# Altium PCB LimeSDR_1v2s.PcbDoc (part 5 of 9) (continued)
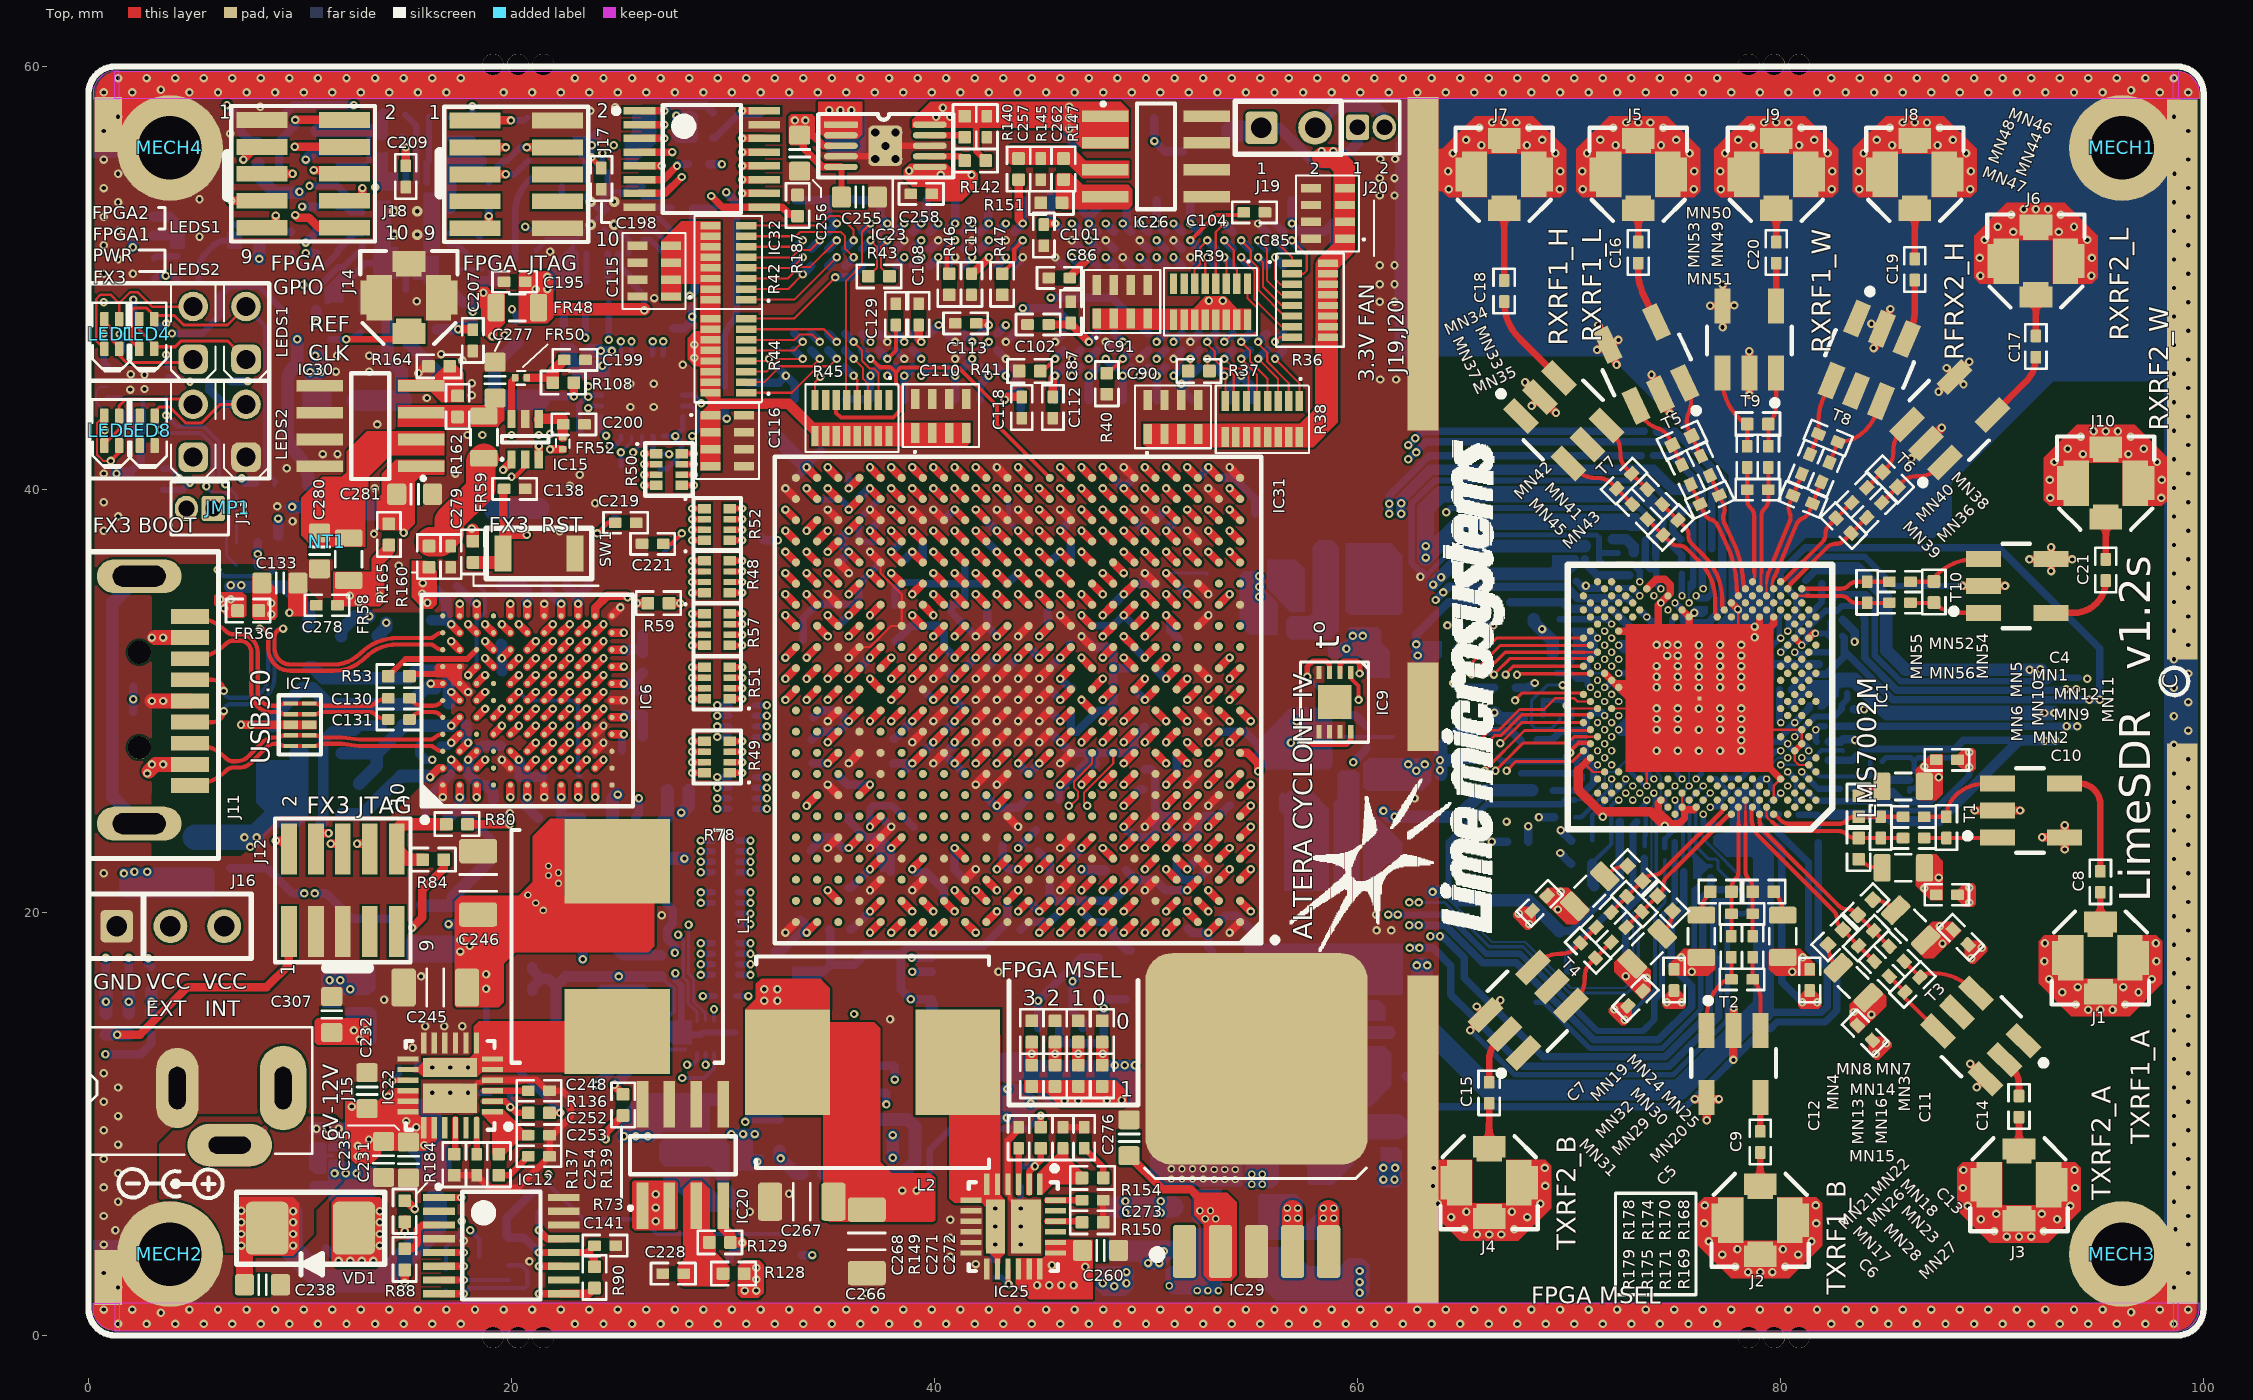
[diagram p0: Top view]
## Nets (pads, with @x,y where several pads share a name; then routed paths per layer and width w, separated by ;. In a path a pad name is that pad's centre, name@x,y a point inside that pad or via, vN(x,y) a via of type N, cw(c..) or ccw(c..) an arc to the next point about the centre after c; other vN are vias at no path point) (continued)
  Top w0.45: 70.426,26.723 70.426,25.819 71.476,24.769 71.6,24.769 73.875,24.769
  Top w0.7: v1(3,30) J11.7@4.8,30 ; v1@3.15,33 J11.4@4.75,33
  Bottom w0.11: C35.2@70.876,31.599 70.924,31.599 71.211,31.311 71.653,31.311 C31.2@71.653,31.342
  Bottom w0.13: C53.2@76.351,23.614 76.351,23.461 78.523,21.289 78.523,20.227 C45.2@78.24,19.944
  Bottom w0.15: C25.2@69.571,29.219 69.571,29.114 69.151,28.694 68.407,28.694 68.226,28.875 68.226,29.989 68.221,29.994 68.221,30.006 68.965,30.75 v1(69.7,30.75)
  Bottom w0.17: v1(72.64,14.927) 72.64,14.939 74.065,16.364 74.065,19.989 74.531,20.455 C56.2@74.531,22.496
  Bottom w0.2: IC19.D2@11.138,8.513 IC19.C2@11.538,8.513 ; R116.2@11.775,55.35 13.075,55.35 13.25,55.525 13.25,56.95 ; C140.2@59.325,28.275 59.325,28.3 61.675,28.3 ; C43.2@72.846,26.769 72.846,26.699 73.564,25.98 v4(73.679,25.98) ; C51.2@76.956,26.814 76.956,27.463 v1(77.141,27.648) ; 78.651,32.544 C78.2@78.971,32.544 ; 78.971,32.224 C78.2@78.971,32.544 ; 78.971,32.864 C78.2@78.971,32.544
  Bottom w0.25: 21.175,51.313 21.675,51.813 IC13.7@22.375,51.813 23.05,51.813 IC13.25@24.3,53.063 24.496,53.259 24.514,53.277 24.375,53.277 24.375,53.809 24.653,54.088 25.186,54.088 25.186,53.948 25.55,54.313 IC13.19@26.225,54.313 ; IC13.25@24.375,52.316 24.653,52.038 25.186,52.038 25.186,52.177 25.55,51.813 IC13.1@25.55,51.138 ; IC13.22@26.225,52.813 27,52.813 27.55,52.263 ; 63.251,35.924 65.177,37.85 71.29,37.85 C74.2@71.421,37.719 ; v1(65.334,14.431) 67.44,12.325 74.911,12.325 77.481,14.895 77.481,19.881 C44.2@77.544,19.944 C45.2@78.24,19.944 ; 68.45,15.756 68.817,15.756 70.998,13.575 74.393,13.575 76.231,15.413 76.231,17.375 75.925,17.681 75.925,21.07 C46.2@76.05,21.195 ; C50.2@84.806,27.144 84.987,27.325 86.15,27.325 86.325,27.15 ; C52.2@86.094,25.719 86.094,25.847 86.305,25.847 86.519,26.061 86.519,26.51 86.325,26.704 86.325,27.15 ; v1(88.93,27.572) 88.68,27.322 86.497,27.322 86.325,27.15
  Bottom w0.29: v1(64.2,38.925) 64.395,39.12 73.351,39.12 74.021,38.45 74.021,38.08 74.026,38.075 74.026,37.544 74.101,37.469
  Bottom w0.3: 11.3,48.9 11.3,49.057 11.325,49.082 11.325,49.35 11.45,49.475 11.875,49.475 13.1,50.7 IC16.10@14,50.7 ; IC13.12@22.375,54.313 IC13.11@22.375,53.813 IC13.25@23.55,53.813 ; v6(23.75,53.613) IC13.25@24.3,53.063 ; R74.1@23.9,13.275 24.11,13.485 24.11,16.254 24.306,16.45 26.25,16.45 C229.1@27.125,15.575 ; IC13.25@24.496,53.259 24.35,53.259 24.35,53.82 24.55,54.02 IC13.16@24.55,54.988 ; 27.55,52.213 R98.1@28.55,51.213 ; C330.2@37.45,37.525 36.425,37.525 C282.2@36.425,38.575 37.4,39.55 C364.2@37.45,39.55 ; 63.233,35.942 63.047,36.128 62.952,36.128 62.572,36.509 62.572,39.341 63.656,40.425 73.77,40.425 75.295,38.9 75.321,38.9 ; 67.74,26.589 69.101,26.589 C39.2@69.876,26.589 70.28,26.589 70.376,26.685 ; C28.2@70.044,28.031 C29.2@70.756,28.031 ; C34.2@70.101,31.874 70.101,32.144 70.459,32.501 70.876,32.501 ; C23.2@70.201,33.314 71.008,33.314 v4(71.348,32.973) 70.876,32.501 ; C33.2@70.596,26.294 70.596,26.465 70.376,26.685 ; C29.2@70.801,28.031 70.801,27.499 70.666,27.364 70.547,27.364 70.376,27.192 70.376,26.685 ; C35.2@70.876,31.599 70.876,32.501 ; C74.2@71.421,37.719 71.421,36.654 C76.2@71.526,36.549 ; 71.561,36.999 C73.2@72.301,36.999 ; C36.2@72.851,30.739 74.051,30.739 v1(74.141,30.648) ; C26.2@72.851,31.839 73.951,31.839 v1(74.141,31.648) ; v1(74.141,29.648) 74.301,29.808 74.301,30.094 74.731,30.094 ; 74.871,33.249 C70.2@74.871,33.844 ; C64.2@75.321,38.419 75.321,38.9 ; C69.2@75.733,39.207 75.426,38.9 75.321,38.9 ; v2(75.926,34.169) 76.231,34.169 C63.2@76.376,34.314 ; v1(78.141,27.648) 78.576,27.648 C59.2@78.821,27.894 ; C71.2@80.451,35.749 80.451,35.919 81.357,36.825 83.975,36.825 85.362,35.438 v1(88.594,35.438) ; C61.2@81.149,25.836 81.697,25.289 82.546,25.289 82.573,25.262 85.092,25.262 85.535,24.819 87.251,24.819 88.93,26.498 v1(88.93,26.872) ; C67.2@82.506,34.869 82.686,35.049 84.06,35.049 84.455,34.654 84.455,32.153 85.676,30.931 92.625,30.931 92.794,31.1 94.1,31.1
  Bottom w0.309: v6(16.25,11.475) v6(17.1,11.475) R138.1@18.975,11.475 ; v6(44.075,4.3) v6(44.075,5.15) v6(44.075,6) R153.2@44.075,7.025 ; v1(74.141,27.648) 74.141,27.199 C57.2@74.546,26.794
  Bottom w0.35: C295.1@38.15,34.525 38.15,35.3 C283.2@38.45,35.6 39.375,35.6 C355.2@39.425,35.55 41.425,35.55 ; C284.2@41.45,36.55 41.425,36.525 41.425,35.55 ; v1(41.95,33.05) 40.8,34.2 C296.1@40.8,34.225 40.8,34.5 40.875,34.575 41.147,34.575 41.425,34.853 41.425,35.55 ; C286.2@42.425,35.525 42.4,35.55 41.425,35.55 ; C243.1@62.25,12.275 63.7,10.825 75.532,10.825 79.207,14.499 79.509,14.499 79.834,14.824 82.113,14.824 82.655,15.366 82.655,17.582 81.775,18.462 81.775,23.305 C65.2@81.771,23.309 ; 69.936,17.243 69.936,18.086 73.025,21.175 73.025,24.113 C40.2@73.201,24.289 ; C77.2@70.349,35.671 70.681,35.339 C75.2@71.451,35.339 ; C60.2@74.101,36.799 74.101,37.469 ; v4(74.345,34.638) 74.795,35.088 C66.2@74.795,35.369 ; C42.2@79.125,24.064 79.126,23.908 80.05,22.984 80.05,16.729 v1(81.03,15.749)
  Bottom w0.4: C220.1@9.55,52.175 C220.1@9.6,52.175 ; R86.1@15.646,27.875 15.646,27.504 15.925,27.225 v2(16.25,27.225) ; C185.1@22.475,47.788 C197.1@22.475,48.813 ; IC5.J3@37.375,47.375 v1(37.775,46.975) ; C384.2@37.475,24.475 37.525,24.475 v2(37.95,24.05) ; IC5.H2@38.175,46.575 v1(38.575,46.175) ; IC5.H8@38.175,51.375 v1(38.575,51.775) ; IC5.F8@39.775,51.375 v1(40.175,51.775) ; IC5.E3@40.575,47.375 v1(40.975,46.975) ; IC5.E7@40.575,50.575 v1(40.975,50.975) ; v1(40.975,46.175) IC5.D2@41.375,46.575 ; IC5.D8@41.375,51.375 v1(41.775,51.775) ; IC5.B2@42.975,46.575 v1(43.375,46.175) ; IC5.B8@42.975,51.375 v1(43.375,51.775) ; v1(43.375,46.975) IC5.A3@43.775,47.375 ; IC5.A7@43.775,50.575 v1(44.175,50.975) ; v1(45.7,46.975) IC4.A7@46.1,47.375 ; v1(45.7,50.975) IC4.A3@46.1,50.575 ; C380.2@46.45,29.55 C387.2@46.45,28.55 46.743,28.55 47.743,29.55 48.157,29.55 48.45,29.843 C293.2@48.45,30.391 ; v1(46.5,46.175) IC4.B8@46.9,46.575 ; v1(46.5,51.775) IC4.B2@46.9,51.375 ; v1(46.95,33.05) 46.98,33.05 47.48,32.55 48.425,32.55 C331.2@48.425,32.525 48.45,32.5 48.45,31.55 ; v1(48.1,46.975) IC4.D8@48.5,46.575 ; v1(48.1,51.775) IC4.D2@48.5,51.375 ; C293.2@48.45,30.525 48.45,31.55 ; v1(48.9,50.975) IC4.E3@49.3,50.575 ; C360.2@49.45,31.525 49.425,31.55 48.45,31.55 ; v1(49.7,46.175) IC4.F8@50.1,46.575 ; v1(49.7,51.775) IC4.F2@50.1,51.375 ; v1(51.3,46.175) IC4.H8@51.7,46.575 ; v1(51.3,51.775) IC4.H2@51.7,51.375 ; C336.2@51.45,22.575 51.45,21.843 51.743,21.55 52.45,21.55 v2(52.95,22.05) ; v1(52.1,46.975) IC4.J7@52.5,47.375 ; v1(52.1,50.975) IC4.J3@52.5,50.575 ; v1(55.3,52.575) IC4.N1@55.7,52.175 ; v1(75.141,28.648) 75.641,28.648 R9.2@75.921,28.929 ; v1(75.141,29.648) 75.202,29.648 R9.2@75.921,28.929 ; v1(77.141,29.648) 76.641,29.648 R9.2@75.921,28.929 ; 79.086,31.739 C79.2@81.801,31.739 ; C62.2@82.281,28.069 82.281,28.075 82.84,28.075 82.95,28.185 83.49,28.185 v1(83.525,28.15) ; C80.2@82.931,33.844 83.5,33.275 v1(83.5,32.8) ; C49.2@83.456,29.619 83.931,29.619 v1(83.95,29.6)
  Bottom w0.5: 10.75,23.675 10.8,23.725 10.8,23.978 11.1,24.278 C161.1@11.1,26.1 11.1,28.136 11.564,28.6 12.575,28.6 C162.2@12.81,28.835 13.86,28.835 C160.2@13.875,28.85
  Bottom w0.6: C206.2@10.8,56.975 C205.2@12.8,56.975 13.55,56.975 ; C210.2@13.85,56.8 13.85,57.6 R117.2@13.975,57.725 ; 17.1,53.325 C215.1@17.1,55.475 ; C215.1@17.15,55.525 18.55,55.525 ; C203.1@19.175,47.85 C204.1@19.175,48.85 ; 58.975,13.575 59.725,14.325 61.5,14.325
  Bottom w1: XT2.2@19.2,39.025 19.275,39.1 XT3.2@21.3,39.1
  other v1: 36.8,2 1.4,2.275 98.6,2.275 0.725,2.95 99.275,2.95 78.465,3 79.04,3 79.615,3 77.865,3.25 80.215,3.25 41.95,3.375 20.85,3.5 40.75,3.725 77.24,3.825 80.84,3.825 77.965,4.075 80.115,4.075 0.725,4.3 99.275,4.3 76.615,4.45 81.465,4.45 17.75,4.475 40.75,4.625 90.7,4.675 91.275,4.675 91.85,4.675 65.65,4.775 66.225,4.775 66.8,4.775 90.1,4.925 92.45,4.925 1.275,4.975 65.05,5.025 67.4,5.025 98.675,5.025 76.39,5.3 81.69,5.3 40.75,5.475 89.475,5.5 93.075,5.5 64.425,5.6 68.025,5.6 0.725,5.65 99.275,5.65 90.2,5.75 92.35,5.75 31.275,5.85 65.15,5.85 67.3,5.85 88.85,6.125 93.7,6.125 76.415,6.15 81.665,6.15 63.8,6.225 68.65,6.225 1.4,6.325 98.6,6.325 33.125,6.7 88.625,6.975 93.925,6.975 0.725,7 99.275,7 63.575,7.075 68.875,7.075 1.4,7.675 98.6,7.675 88.65,7.825 93.9,7.825 63.6,7.925 68.85,7.925 0.725,8.35 99.275,8.35 1.4,9.025 98.6,9.025 0.725,9.7 99.275,9.7 1.4,10.375 98.6,10.375 0.725,11.05 99.275,11.05 1.4,11.725 98.6,11.725 0.725,12.4 99.275,12.4 98.6,13.075 84.494,13.314 15.325,13.6 99.275,13.75 84.989,13.809 98.6,14.425 15.925,14.625 16.825,14.625 17.675,14.625 37.9,14.95 99.275,15.1 94.55,15.4 95.125,15.4 95.7,15.4 72.145,15.422 93.95,15.65 96.3,15.65 74.63,15.749 75.33,15.749 81.73,15.749 98.6,15.775 13.975,15.875 93.325,16.225 96.925,16.225 99.275,16.45 94.05,16.475 96.2,16.475 92.7,16.85 97.55,16.85 15.725,16.975 98.6,17.125 43.025,17.2 92.475,17.7 97.775,17.7 99.275,17.8 89.019,17.84 89.514,18.335 98.6,18.475 92.5,18.55 97.75,18.55 60.9,19.15 61.6,19.15 99.275,19.15 68.115,19.452 98.6,19.825 27.1,19.875 60.875,19.9 67.62,19.947 88.93,20.472 99.275,20.5 88.93,21.172 98.6,21.175 0.725,21.85 99.275,21.85 98.6,22.525 99.275,23.2 98.6,23.875 74.525,24.1 67.05,24.3 71.6,24.525 99.275,24.55 19.925,24.7 98.6,25.225 62.7,25.4 99.275,25.9 98.6,26.575 99.275,27.25 76.141,27.638 75.141,27.648 98.6,27.925 78.141,28.148 99.275,28.6 74.141,28.648 76.141,28.638 77.141,28.648 78.141,28.648 74.141,29.148 75.141,29.148 77.141,29.148 78.141,29.148 98.6,29.275 76.141,29.638 78.141,29.648 99.275,29.95 3.525,30 76.141,30.638 98.6,30.625 75.141,30.648 77.141,30.648 78.141,30.648 94.5,31.05 74.141,31.148 75.141,31.148 76.141,31.138 77.141,31.148 78.141,31.148 99.275,31.3 75.141,31.648 76.141,31.638 77.141,31.648 78.141,31.648 98.6,31.975 76.141,32.138 74.641,32.148 75.141,32.148 77.141,32.148 78.141,32.148 74.141,32.648 74.641,32.648 75.141,32.648 76.141,32.638 77.141,32.648 78.141,32.648 99.275,32.65 3,33 3.525,33 78.776,33.019 98.6,33.325 78.776,33.519 99.275,34 9.5,34.175 98.6,34.675 99.275,35.35 70.8,35.45 62.975,35.875 98.6,36.025 14.675,36.4 99.275,36.7 98.6,37.375 13.5,37.9 22.275,38.025 0.725,38.05 99.275,38.05 9.65,38.5 1.4,38.725 98.6,38.725 8.925,39.2 23.95,39.35 0.725,39.4 99.275,39.4 92.75,39.6 98,39.6 13.525,40.05 98.6,40.075 22.75,40.175 92.725,40.45 98.025,40.45 23.225,40.7 0.725,40.75 17.35,40.75 99.275,40.75 9.375,41 92.95,41.3 97.8,41.3 98.6,41.425 86.176,41.468 11.075,41.675 11.775,41.675 94.3,41.675 96.45,41.675 93.575,41.925 97.175,41.925 99.275,42.1 94.2,42.5 96.55,42.5 17.925,42.575 18.625,42.575 21.825,42.625 94.8,42.75 95.375,42.75 95.95,42.75 98.6,42.775 13.65,43.075 99.275,43.45 25.625,43.9 26.725,43.9 98.6,44.125 16,44.325 18.125,44.45 1.975,44.725 2.65,44.75 99.275,44.8 25.625,45 26.725,45 18.125,45.025 61.075,45.2 61.825,45.2 2.65,45.425 2,45.45 98.6,45.475 11.7,45.575 13.275,45.575 87.851,45.743 28.1,45.9 17.675,46.1 11.75,46.325 13.275,46.325 16.675,46.4 19.675,47.3 0.725,48.85 61.05,48.875 61.75,48.875 15.525,48.9 26.75,49.05 61.05,49.7 61.75,49.7 89.45,50.1 94.7,50.1 0.725,50.2 2.1,50.2 61.05,50.6 61.75,50.6 1.4,50.875 89.425,50.95 94.725,50.95 21.825,51.25 0.725,51.55 89.65,51.8 94.5,51.8 5.25,51.95 91,52.175 93.15,52.175 1.4,52.225 90.275,52.425 93.875,52.425 0.725,52.9 90.9,53 93.25,53 91.5,53.25 92.075,53.25 92.65,53.25 1.4,53.575 5.25,53.725 61.05,53.9 61.75,53.9 64.309,54.2 69.559,54.2 70.65,54.2 75.9,54.2 77.175,54.2 82.425,54.2 83.725,54.2 88.975,54.2 0.725,54.25 61.05,54.725 61.75,54.725 1.4,54.925 64.284,55.05 69.584,55.05 70.625,55.05 75.925,55.05 77.15,55.05 82.45,55.05 83.7,55.05 89,55.05 0.725,55.6 61.075,55.625 61.775,55.625 64.509,55.9 69.359,55.9 70.85,55.9 75.7,55.9 77.375,55.9 82.225,55.9 83.925,55.9 88.775,55.9 65.859,56.275 68.009,56.275 72.2,56.275 74.35,56.275 78.725,56.275 80.875,56.275 85.275,56.275 87.425,56.275 65.134,56.525 68.734,56.525 71.475,56.525 75.075,56.525 78,56.525 81.6,56.525 84.55,56.525 88.15,56.525 6.7,56.825 0.725,56.95 65.759,57.1 68.109,57.1 72.1,57.1 74.45,57.1 78.625,57.1 80.975,57.1 85.175,57.1 87.525,57.1 66.359,57.35 66.934,57.35 67.509,57.35 72.7,57.35 73.275,57.35 73.85,57.35 79.225,57.35 79.8,57.35 80.375,57.35 85.775,57.35 86.35,57.35 86.925,57.35 1.4,57.625 23.725,57.9 24.9,58.075 8.125,58.1
  other v2: 99.275,46.15 98.6,46.825 99.275,47.5 98.6,48.175 99.275,48.85 98.6,49.525 99.275,50.2 98.6,50.875 99.275,51.55 98.6,52.225 99.275,52.9 98.6,53.575 99.275,54.25 98.625,54.925 99.275,55.6 99.275,56.95 98.6,57.625
  other v3: 1.4,0.55 2.75,0.55 4.1,0.55 5.45,0.55 6.8,0.55 8.15,0.55 9.5,0.55 10.85,0.55 12.2,0.55 13.55,0.55 14.9,0.55 16.25,0.55 17.6,0.55 23,0.55 24.35,0.55 25.7,0.55 27.05,0.55 28.4,0.55 29.75,0.55 31.1,0.55 32.45,0.55 33.8,0.55 35.15,0.55 36.5,0.55 37.85,0.55 39.2,0.55 40.55,0.55 41.9,0.55 43.25,0.55 44.6,0.55 45.95,0.55 47.3,0.55 48.65,0.55 50,0.55 51.35,0.55 52.7,0.55 54.05,0.55 55.4,0.55 56.75,0.55 58.1,0.55 59.45,0.55 60.8,0.55 62.15,0.55 63.5,0.55 64.85,0.55 66.2,0.55 67.55,0.55 68.9,0.55 70.25,0.55 71.6,0.55 72.95,0.55 74.3,0.55 75.65,0.55 77,0.55 82.4,0.55 83.75,0.55 85.1,0.55 86.45,0.55 87.8,0.55 89.15,0.55 90.5,0.55 91.85,0.55 93.2,0.55 94.55,0.55 95.9,0.55 97.25,0.55 98.6,0.55 3.425,1.075 96.575,1.1 0.725,1.225 2.075,1.225 4.775,1.225 6.125,1.225 7.475,1.225 8.825,1.225 10.175,1.225 11.525,1.225 12.875,1.225 14.225,1.225 15.575,1.225 16.925,1.225 18.275,1.225 19.625,1.225 20.975,1.225 22.325,1.225 23.675,1.225 25.025,1.225 26.375,1.225 27.725,1.225 29.075,1.225 30.425,1.225 31.775,1.225 33.125,1.225 34.475,1.225 35.825,1.225 37.175,1.225 38.525,1.225 39.875,1.225 41.225,1.225 42.575,1.225 43.925,1.225 45.275,1.225 46.625,1.225 47.975,1.225 49.325,1.225 50.675,1.225 52.025,1.225 53.375,1.225 54.725,1.225 56.075,1.225 57.425,1.225 58.775,1.225 60.125,1.225 61.475,1.225 62.825,1.225 64.175,1.225 65.525,1.225 66.875,1.225 68.225,1.225 69.575,1.225 70.925,1.225 72.275,1.225 73.625,1.225 74.975,1.225 76.325,1.225 77.675,1.225 79.025,1.225 80.375,1.225 81.725,1.225 83.075,1.225 84.425,1.225 85.775,1.225 87.125,1.225 88.475,1.225 89.825,1.225 91.175,1.225 92.525,1.225 93.875,1.225 95.225,1.225 97.925,1.225 99.275,1.225 0.725,58.775 2.075,58.775 4.775,58.775 6.125,58.775 7.475,58.775 8.825,58.775 10.175,58.775 11.525,58.775 12.875,58.775 14.225,58.775 15.575,58.775 16.925,58.775 19.625,58.775 20.975,58.775 22.325,58.775 23.675,58.775 25.025,58.775 26.375,58.775 27.725,58.775 29.075,58.775 30.425,58.775 31.775,58.775 33.125,58.775 34.475,58.775 35.825,58.775 37.175,58.775 38.525,58.775 39.875,58.775 41.225,58.775 42.575,58.775 43.925,58.775 45.275,58.775 46.625,58.775 47.975,58.775 49.325,58.775 50.675,58.775 52.025,58.775 53.375,58.775 54.725,58.775 56.075,58.775 57.425,58.775 58.775,58.775 60.125,58.775 61.475,58.775 62.825,58.775 64.175,58.775 65.525,58.775 66.875,58.775 68.225,58.775 69.575,58.775 70.925,58.775 72.275,58.775 73.625,58.775 74.975,58.775 76.325,58.775 77.675,58.775 79.025,58.775 80.375,58.775 81.725,58.775 83.075,58.775 84.425,58.775 85.775,58.775 87.125,58.775 88.475,58.775 89.825,58.775 91.175,58.775 92.525,58.775 93.875,58.775 95.225,58.775 97.925,58.775 99.275,58.775 96.575,58.875 3.425,58.9 1.4,59.45 2.75,59.45 4.1,59.45 5.45,59.45 6.8,59.45 8.15,59.45 9.5,59.45 10.85,59.45 12.2,59.45 13.55,59.45 14.9,59.45 16.25,59.45 17.6,59.45 23,59.45 24.35,59.45 25.7,59.45 27.05,59.45 28.4,59.45 29.75,59.45 31.1,59.45 32.45,59.45 33.8,59.45 35.15,59.45 36.5,59.45 37.85,59.45 39.2,59.45 40.55,59.45 41.9,59.45 43.25,59.45 44.6,59.45 45.95,59.45 47.3,59.45 48.65,59.45 50,59.45 51.35,59.45 52.7,59.45 54.05,59.45 55.4,59.45 56.75,59.45 58.1,59.45 59.45,59.45 60.8,59.45 62.15,59.45 63.5,59.45 64.85,59.45 66.2,59.45 67.55,59.45 68.9,59.45 70.25,59.45 71.6,59.45 72.95,59.45 74.3,59.45 75.65,59.45 77,59.45 82.4,59.45 83.75,59.45 85.1,59.45 86.45,59.45 87.8,59.45 89.15,59.45 90.5,59.45 91.85,59.45 93.2,59.45 94.55,59.45 95.9,59.45 97.25,59.45 98.6,59.45
  other v4: 72.014,30.309 77.976,34.337
  other v5: 53.225,7.375 53.725,7.375 54.225,7.375 51.2,7.4 51.7,7.4 52.2,7.4 52.7,7.4 53.225,7.85 53.725,7.85 54.225,7.85 51.2,7.875 51.7,7.875 52.2,7.875 52.7,7.875
  other v6: 17.95,11.475 14.45,52.05 15.55,52.05 23.75,52.513 24.85,52.513 14.45,53.15 15.55,53.15 24.85,53.613
LM75_OS: IC9.3 IC31.J6 R92.1 R182.1 | length 18
  Top w0.25: v1(57.625,31.15) 57.625,31.625 57.888,31.888 58.513,31.888 58.675,31.725 IC9.3@58.675,31.35
  Top w0.4: v2(48.95,27.05) IC31.J6@49.45,27.55
  L8 w0.1: v2(48.95,27.05) 49.6,26.4 53.3,26.4 55.475,28.575 55.475,29.363 57.262,31.15 v1(57.625,31.15)
  Bottom w0.25: v1(57.625,31.15) 59.325,29.45 R92.1@59.325,29.325
  Bottom w0.4: R92.1@59.325,29.325 59.9,29.325 R182.1@60.425,28.8
LMK_CLK: IC13.15 IC31.B12 | length 64.4
  Top w0.4: IC31.B12@43.45,20.55 v1(43.95,21.05)
  L10 w0.1: v1(24.3,55.9) 24.3,52.57 cw(c21.91,52.57) 23.6,50.88 22.044,49.324 ccw(c23.84,47.528) 21.3,47.528 21.3,45.127 ccw(c23.84,45.127) 22.044,43.331 28.038,37.337 ccw(c28.55,37.849) 28.55,37.125 cw(c28.55,36.401) 29.062,36.913 ; 29.062,36.913 29.188,36.788 cw(c28.373,35.973) 29.189,36.786 cw(c28.373,35.973) 29.525,35.973 29.525,33.5 ccw(c30.875,33.5) 30.875,32.15 31.723,32.15 ccw(c31.723,32.577) 32.025,32.275 cw(c32.447,31.853) 32.447,32.45 48.815,32.45 cw(c48.815,31.87) 49.225,32.28 50.267,31.238 cw(c49.703,30.675) 50.5,30.675 50.5,27.675 cw(c49.1,27.675) 50.09,26.685 47.364,23.959 cw(c46.075,25.248) 46.075,23.425 45.7,23.425 ccw(c45.7,22.025) 44.3,22.025 44.3,21.895 cw(c43.105,21.895) v1(43.95,21.05)
  Bottom w0.25: IC13.15@24.05,54.988 24.05,55.325 24.3,55.575 v1(24.3,55.9)
LMS_CORE_LDO_EN: IC1.U33 IC31.B18 R8.1 | length 42.7
  Top w0.11: 70.401,29.976 IC1.U33@71.015,29.976
  Top w0.13: v1@65.625,28.025 65.659,28.025 66.249,28.615 66.69,28.615 67.667,29.592 68.825,29.592 69.366,30.134 70.244,30.134 70.401,29.976
  Top w0.4: v2(36.95,20.05) IC31.B18@37.45,20.55
  L9 w0.1: v2(36.95,20.05) 37.4,20.5 43.2,20.5 43.4,20.7 44.795,20.7 45.795,19.7 47.095,19.7 47.3,19.905 47.3,20.895 47.805,21.4 48.095,21.4 49.095,20.4 58.275,20.4 65.625,27.75 v1(65.625,28)
  Bottom w0.4: R8.1@36.025,19.2 36.1,19.2 v2(36.95,20.05)
LMS_DIQ1_D0: IC1.AG31 IC31.B17 | length 42.2
  Top w0.4: IC31.B17@38.45,20.55 v2(38.95,20.05)
  L4 w0.1: v2(38.95,20.05) 38.95,19.625 39.15,19.425 40.15,19.425 40.6,19.875 40.6,22.195 41.805,23.4 42.795,23.4 44.57,25.175 45.58,25.175 49.805,29.4 50.522,29.4 51.6,30.478 51.6,31.195 51.64,31.235 52.855,32.45 55.001,32.45 56.701,34.15 70.837,34.15 v4(71.681,33.306)
LMS_DIQ1_D1: IC1.AF30 IC31.B16 | length 42.2
  Top w0.4: IC31.B16@39.45,20.55 v2(39.95,20.05)
  L4 w0.1: v2(39.95,20.05) 39.75,20.25 39.75,22.345 41.005,23.6 42.7,23.6 44.5,25.4 44.805,25.4 48.6,29.195 49.005,29.6 50.025,29.6 51.4,30.975 51.4,31.575 52.475,32.65 54.9,32.65 56.6,34.35 71.763,34.35 72.339,33.774 72.339,33.298 v4(72.014,32.973)
LMS_DIQ1_D2: IC1.AF34 IC31.B15 | length 38.4
  Top w0.15: v1@64.868,31.268 66.573,32.973 IC1.AF34@70.682,32.973
  Top w0.4: IC31.B15@40.45,20.55 v2(40.95,20.05)
  L8 w0.1: v2(40.95,20.05) 40.675,20.05 40.375,20.35 40.375,20.97 43.55,24.145 44.805,25.4 54,25.4 54.6,26 54.6,26.525 55.875,27.8 55.875,29.175 56.1,29.4 59.925,29.4 61.425,30.9 63.989,30.9 64.35,31.261 v1(64.875,31.261)
LMS_DIQ1_D3: IC1.AE31 IC31.B14 | length 42.5
  Top w0.4: v2(40.95,21.05) IC31.B14@41.45,20.55
  L4 w0.1: v2(40.95,21.05) 41.3,21.4 41.3,22.4 42.075,23.175 43.57,23.175 44.195,23.8 46.525,23.8 48.3,25.575 48.3,26.895 53.005,31.6 54.434,31.6 56.759,33.925 66.325,33.925 66.725,33.925 67.125,33.925 cw(c67.125,33.525) 67.525,33.525 67.525,33.125 ccw(c67.925,33.125) 67.925,32.725 ccw(c67.925,33.125) 68.325,33.125 68.325,33.525 cw(c68.725,33.525) 68.725,33.925 cw(c68.725,33.525) 69.125,33.525 69.125,33.125 ccw(c69.525,33.125) 69.525,32.725 ccw(c69.525,33.125) 69.925,33.125 69.925,33.525 cw(c70.325,33.525) 70.325,33.925 70.675,33.925 71.025,33.575 71.025,33.11 71.023,33.108 71.023,32.827 71.202,32.648 71.673,32.648 v4(71.681,32.64)
LMS_DIQ1_D4: IC1.AD30 IC31.B13 | length 39.9
  Top w0.4: v2(41.95,21.05) IC31.B13@42.45,20.55
  L4 w0.1: v2(41.95,21.05) 41.6,21.4 41.6,22.212 41.888,22.5 44.612,22.5 45.712,23.6 46.608,23.6 48.5,25.492 48.5,26.095 48.805,26.4 49.25,26.4 50.25,27.4 50.25,27.845 53.805,31.4 54.517,31.4 56.567,33.45 60.55,33.45 cw(c60.55,33.146) 60.854,33.146 60.854,32.624 ccw(c61.158,32.624) 61.158,32.32 ccw(c61.158,32.624) 61.462,32.624 61.462,33.146 cw(c61.766,33.146) 61.766,33.45 63.425,33.45 63.575,33.45 64.125,32.9 66.925,32.9 67.518,32.307 v4(72.014,32.307)
LMS_DIQ1_D5: IC1.AC29 IC31.C13 | length 42.1
  Top w0.4: IC31.C13@42.45,21.55 v2(42.95,21.05)
  L4 w0.1: v2(42.95,21.05) 41.6,19.7 41.6,18.905 41.805,18.7 44.095,18.7 47.57,22.175 48.58,22.175 54.805,28.4 60.95,28.4 61.15,28.4 ccw(c61.15,28.6) 61.35,28.6 cw(c61.75,28.6) 61.75,29 cw(c61.75,28.6) 62.15,28.6 ccw(c62.35,28.6) 62.35,28.4 62.55,28.4 69.697,28.4 70.949,29.651 72.482,29.651 72.672,29.842 72.672,31.649 v4(72.347,31.974)
LMS_DIQ1_D6: IC1.AE33 IC31.A18 | length 41.3
  Top w0.15: v1@65.39,31.265 66.748,32.623 70.998,32.623 IC1.AE33@71.015,32.64
  Top w0.4: v2(36.95,19.05) IC31.A18@37.45,19.55
  L8 w0.1: v2(36.95,19.05) 37.058,19.05 38.408,20.4 39.475,20.4 44.675,25.6 53.005,25.6 55.675,28.27 55.675,29.28 56.795,30.4 60.642,30.4 61.342,31.1 63.85,31.1 64.361,31.611 65.02,31.611 65.375,31.255 v1(65.4,31.255)
LMS_DIQ1_D7: IC1.AD32 IC31.A17 | length 39.7
  Top w0.11: 70.74,32.307 IC1.AD32@71.348,32.307
  Top w0.15: v1(65.925,31.25) 65.925,31.255 66.977,32.307 68.512,32.307 70.74,32.307
  Top w0.4: v2(37.95,19.05) IC31.A17@38.45,19.55
  L8 w0.1: v2(37.95,19.05) 38.6,19.7 41.1,19.7 46,24.6 54,24.6 56.567,27.167 57.975,27.167 61.308,30.5 65.4,30.5 65.925,31.025 v1(65.925,31.25)
LMS_DIQ1_D8: IC1.AC31 IC31.A16 | length 39.7
  Top w0.4: v2(38.95,19.05) IC31.A16@39.45,19.55
  L4 w0.1: v2(38.95,19.05) 39.3,18.7 40.105,18.7 42.3,20.895 42.453,21.047 43.105,21.7 44.095,21.7 45.795,23.4 46.8,23.4 55.45,32.05 60.2,32.05 60.9,31.35 62.8,31.35 63.416,31.966 71.673,31.966 v4(71.681,31.974)
LMS_DIQ1_D9: IC1.AC33 IC31.A15 | length 39
  Top w0.15: v1(66.45,31.25) 67.216,32.016 70.973,32.016 IC1.AC33@71.015,31.974
  Top w0.4: v2(39.95,19.05) IC31.A15@40.45,19.55
  L8 w0.1: v2(39.95,19.05) 39.95,18.475 40.25,18.175 41.175,18.175 41.45,18.45 41.45,19.75 42.375,20.675 43.07,20.675 46.795,24.4 55.491,24.4 61.391,30.3 65.5,30.3 v1(66.45,31.25)
LMS_DIQ1_D10: IC1.AB30 IC31.A14 | length 42.2
  Top w0.4: IC31.A14@41.45,19.55 v2(41.95,19.05)
  L4 w0.1: v2(41.95,19.05) 43.455,19.05 46.805,22.4 47.805,22.4 54.005,28.6 60.475,28.6 61.207,29.332 62.45,29.332 ccw(c62.45,29.732) 62.85,29.732 62.85,29.75 cw(c63.25,29.75) 63.25,30.15 cw(c63.25,29.75) 63.65,29.75 63.65,29.332 63.65,29 ccw(c64.05,29) 64.05,28.6 ccw(c64.05,29) 64.45,29 64.45,29.332 64.45,29.75 cw(c64.85,29.75) 64.85,30.15 cw(c64.85,29.75) 65.25,29.75 65.25,29.332 65.25,29 ccw(c65.65,29) 65.65,28.6 ccw(c65.65,29) 66.05,29 66.05,29.332 66.05,29.75 cw(c66.45,29.75) 66.45,30.15 cw(c66.45,29.75) 66.85,29.75 66.85,29.732 ccw(c67.25,29.732) 67.25,29.332 67.375,29.332 69.96,29.332 70.675,30.048 70.675,30.825 71.166,31.316 71.689,31.316 v4(72.014,31.641)
LMS_DIQ1_D11: IC1.AB32 IC31.A13 | length 33.9
  Top w0.4: IC31.A13@42.45,19.55 v2(42.95,20.05)
  L4 w0.1: v2(42.95,20.05) 43.455,20.05 46.005,22.6 46.995,22.6 55.17,30.775 62.7,30.775 63.566,31.641 v4(71.348,31.641)
LMS_DIQ2_D0: IC1.H30 IC31.B7 | length 32.3
  Top w0.4: v2(47.95,20.05) IC31.B7@48.45,20.55
  L4 w0.1: v2(47.95,20.05) 47.95,19.838 48.288,19.5 51.9,19.5 52.3,19.5 53.1,19.5 53.9,19.5 54.3,19.5 cw(c54.3,19.1) 54.7,19.1 54.7,18.425 ccw(c55.1,18.425) 55.1,18.025 ccw(c55.1,18.425) 55.5,18.425 55.5,19.1 cw(c55.9,19.1) 55.9,19.5 cw(c55.9,19.1) 56.3,19.1 56.3,18.698 ccw(c56.7,18.698) 56.7,18.298 ccw(c56.7,18.698) 57.1,18.698 57.1,19.1 cw(c57.5,19.1) 57.5,19.5 57.9,19.5 58.025,19.5 58.308,19.783 ; 58.262,19.737 58.308,19.783 ; v4(72.014,26.979) 71.808,26.979 70.228,25.4 63.925,25.4 58.308,19.783
LMS_DIQ2_D1: IC1.J31 IC31.B6 | length 32.2
  Top w0.4: v2(48.95,20.05) IC31.B6@49.45,20.55
  L4 w0.1: v2(48.95,20.05) 48.95,19.825 49.075,19.7 54.15,19.7 ccw(c54.15,20.1) 54.55,20.1 54.55,20.9 cw(c54.95,20.9) 54.95,21.3 cw(c54.95,20.9) 55.35,20.9 55.35,20.1 ccw(c55.75,20.1) 55.75,19.7 ccw(c55.75,20.1) 56.15,20.1 56.15,20.9 cw(c56.55,20.9) 56.55,21.3 cw(c56.55,20.9) 56.95,20.9 56.95,20.1 ccw(c57.35,20.1) 57.35,19.7 57.75,19.7 57.9,19.7 58.183,19.983 ; 57.987,19.787 58.183,19.983 ; v4(71.681,27.312) 71.187,27.312 69.475,25.6 63.8,25.6 58.183,19.983
LMS_DIQ2_D2: IC1.K30 IC31.B4 | length 31
  Top w0.4: v2(50.95,20.05) IC31.B4@51.45,20.55
  L8 w0.1: v2(50.95,20.05) 50.75,20.25 50.75,20.475 50.975,20.7 54.45,20.7 63.169,29.419 65.6,29.419 cw(c65.6,29.019) 66,29.019 ccw(c66.4,29.019) 66.4,28.619 ccw(c66.4,29.019) 66.8,29.019 cw(c67.2,29.019) 67.2,29.419 67.6,29.419 ccw(c67.6,29.819) 68,29.819 cw(c68.4,29.819) 68.4,30.219 cw(c68.4,29.819) 68.8,29.819 ccw(c69.2,29.819) 69.2,29.419 69.55,29.419 71.169,29.419 71.401,29.651 71.816,29.651 72.524,29.651 72.676,29.499 72.676,28.304 v4@72.016,27.644
  other v4: 72.014,27.645
LMS_DIQ2_D3: IC1.K32 IC31.B3 | length 32.2
  Top w0.4: IC31.B3@52.45,20.55 v2(52.95,20.05)
  L4 w0.1: v2(52.95,20.05) 52.625,20.05 52.325,20.35 52.325,22.92 53.875,24.47 55.3,24.47 ccw(c55.3,24.87) 55.7,24.87 55.7,25.1 cw(c56.1,25.1) 56.1,25.5 cw(c56.1,25.1) 56.5,25.1 56.5,24.47 56.5,23.67 ccw(c56.9,23.67) 56.9,23.27 ccw(c56.9,23.67) 57.3,23.67 57.3,24.47 57.3,25.1 cw(c57.7,25.1) 57.7,25.5 cw(c57.7,25.1) 58.1,25.1 58.1,24.47 58.1,23.67 ccw(c58.5,23.67) 58.5,23.27 ccw(c58.5,23.67) 58.9,23.67 58.9,24.07 cw(c59.3,24.07) 59.3,24.47 59.5,24.47 61.155,26.125 69.15,26.125 70.67,27.645 v4(71.348,27.645)
LMS_DIQ2_D4: IC1.L31 IC31.A10 | length 32.2
  Top w0.4: v2(44.95,19.05) IC31.A10@45.45,19.55
  L4 w0.1: v2(44.95,19.05) 45.3,18.7 47.095,18.7 47.3,18.905 47.3,20.275 47.725,20.7 48.105,20.7 48.83,21.425 49.83,21.425 53.28,24.875 54.28,24.875 55.122,25.717 60.242,25.717 60.875,26.35 68.312,26.35 69.941,27.978 v4(71.681,27.978)
LMS_DIQ2_D5: IC1.K34 IC31.A9 | length 30.7
  Top w0.15: v1(67.05,26.7) 67.494,27.144 70.18,27.144 IC1.K34@70.682,27.645
  Top w0.4: v2(45.95,19.05) IC31.A9@46.45,19.55
  L8 w0.1: v2(45.95,19.05) 46.25,19.05 46.45,18.85 46.45,17.875 46.675,17.65 58,17.65 v1(67.05,26.7)
LMS_DIQ2_D6: IC1.M30 IC31.A8 | length 32.3
  Top w0.4: v2(46.95,19.05) IC31.A8@47.45,19.55
  L4 w0.1: v2(46.95,19.05) 46.6,19.4 46.6,20.2 48.25,21.85 49.245,21.85 54.945,27.55 57.3,27.55 57.5,27.55 ccw(c57.5,27.75) 57.7,27.75 cw(c58.1,27.75) 58.1,28.15 cw(c58.1,27.75) 58.5,27.75 58.5,27.55 58.5,27.35 ccw(c58.9,27.35) 58.9,26.95 ccw(c58.9,27.35) 59.3,27.35 cw(c59.5,27.35) 59.5,27.55 59.975,27.55 69.229,27.55 69.991,28.311 v4(72.014,28.311)
LMS_DIQ2_D7: IC1.M32 IC31.A7 | length 30.9
  Top w0.11: 70.844,28.311 IC1.M32@71.348,28.311
  Top w0.15: v1(66.525,26.7) 66.675,26.85 66.675,26.855 66.895,27.075 66.9,27.075 67.844,28.019 69.951,28.019 70.244,28.311 70.844,28.311
  Top w0.4: v2(47.95,19.05) IC31.A7@48.45,19.55
  L8 w0.1: v2(47.95,19.05) 47.6,19.05 47.1,18.55 47.1,18.025 47.275,17.85 57.675,17.85 v1(66.525,26.7)